# Allegro board MCU-V4.brd (continued)
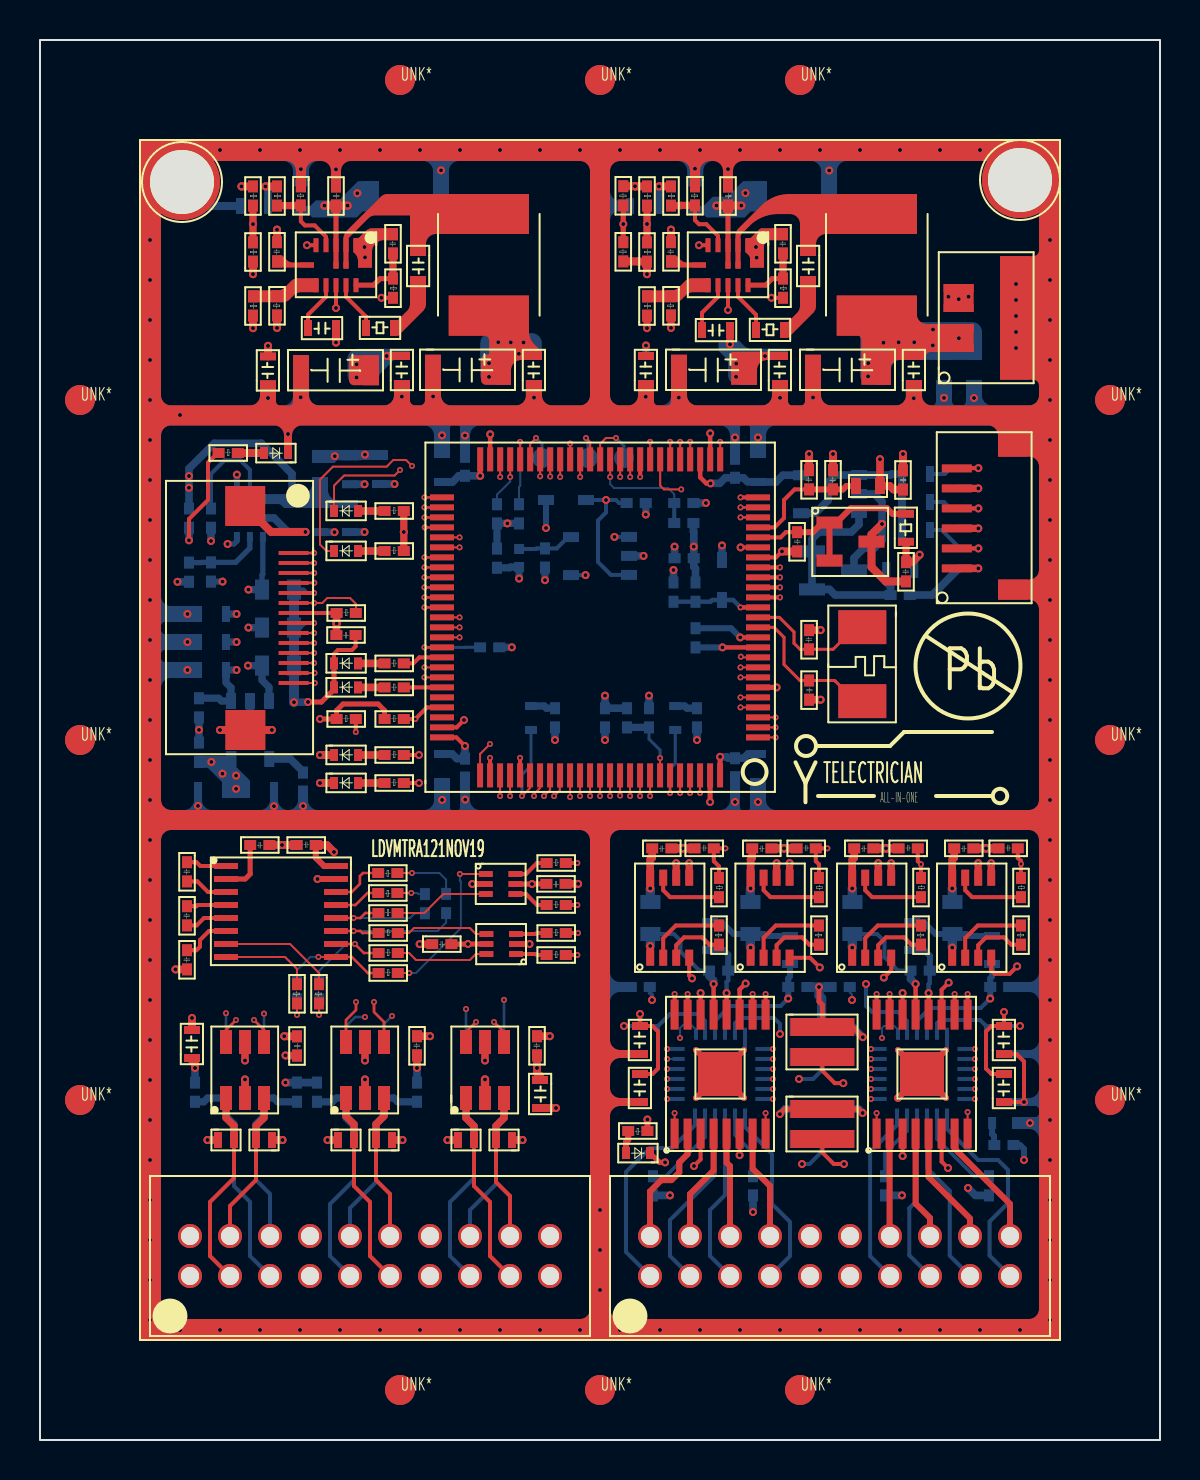
[diagram p0: board, top side]
## Placement (name value [footprint] x y rotation side) (continued)
NOREF#387  -  []  45.4 26.04 90 top
NOREF#388  -  []  9.88 15.81 90 top
NOREF#389  -  []  24.46 22.25 0 top
NOREF#390  -  []  26.12 37.69 0 top
NOREF#391  -  []  50.2 17.59 90 top
NOREF#392  -  []  28.35 23.08 90 top
NOREF#393  -  []  22.32 46.33 0 top
NOREF#394  -  []  17.85 40.18 90 top
NOREF#395  -  []  15.05 62.99 90 top
NOREF#396  -  []  44.8 53.51 0 top
NOREF#397  -  []  33.01 46.22 0 top
NOREF#398  -  []  9.3 26.75 90 top
NOREF#399  -  []  38.3 48.81 90 top
NOREF#400  -  []  42.2 48.9 0 top
NOREF#401  -  []  44.01 22.8 90 top
NOREF#402  -  []  8.88 35.39 0 top
NOREF#403  -  []  13.98 56.73 90 top
NOREF#404  -  []  49.3 25.26 0 top
NOREF#405  -  []  15.18 62.23 90 top
NOREF#406  -  []  18.37 34.88 0 top
NOREF#407  -  []  35.3 54.29 90 top
NOREF#408  -  []  11.32 60.62 0 top
NOREF#409  -  []  32 19.99 90 top
NOREF#410  -  []  28.8 19.2 90 top
NOREF#411  -  []  13.02 60.07 90 top
NOREF#412  -  []  30.4 19.99 0 top
NOREF#413  -  []  41.72 12.73 0 top
NOREF#414  -  []  11.93 30.14 90 top
NOREF#415  -  []  8.2 15.7 0 top
NOREF#416  -  []  12.3 14.3 90 top
NOREF#417  -  []  12 60.62 90 top
NOREF#418  -  []  18.33 27.96 90 top
NOREF#419  -  []  5.85 37.1 90 top
NOREF#420  -  []  37.19 59.5 90 top
NOREF#421  -  []  39.17 46.44 0 top
NOREF#422  -  []  43.18 23.53 90 top
NOREF#423  -  []  10.68 44.51 90 top
NOREF#424  -  []  17.69 53.51 0 top
NOREF#425  -  []  21.31 32.8 90 top
NOREF#426  -  []  18.51 23.45 0 top
NOREF#427  -  []  33.08 23.53 90 top
NOREF#428  -  []  8.2 15.3 90 top
NOREF#429  -  []  47 19.2 90 top
NOREF#430  -  []  48.6 19.99 0 top
NOREF#431  -  []  38.7 41.59 0 top
NOREF#432  -  []  19.95 23.18 90 top
NOREF#433  -  []  35.8 60.61 90 top
NOREF#434  -  []  18.37 33.08 0 top
NOREF#435  -  []  13.33 31.88 0 top
NOREF#436  -  []  40 23.85 90 top
NOREF#437  -  []  39.3 63 0 top
NOREF#438  -  []  32.27 62.18 0 top
NOREF#439  -  []  33 55.09 0 top
NOREF#440  -  []  12.19 45.3 0 top
NOREF#441  -  []  18.3 13.7 90 top
NOREF#442  -  []  23.1 13.7 0 top
NOREF#443  -  []  39.47 43.97 90 top
NOREF#444  -  []  48.6 17.59 0 top
NOREF#445  -  []  41.83 15.32 0 top
NOREF#446  -  []  10.08 32.81 90 top
NOREF#447  -  []  34.69 47.8 90 top
NOREF#448  -  []  34.36 36.15 0 top
NOREF#449  -  []  27.8 61.29 90 top
NOREF#450  -  []  29.82 57.82 0 top
NOREF#451  -  []  35.14 34.27 90 top
NOREF#452  -  []  38.42 26.04 0 top
NOREF#453  -  []  34.12 42.41 90 top
NOREF#454  -  []  22.19 23.94 90 top
NOREF#455  -  []  7.8 38.1 90 top
NOREF#456  -  []  16.45 26.96 0 top
NOREF#457  -  []  36.29 22.1 90 top
NOREF#458  -  []  20.98 15.81 90 top
NOREF#459  -  []  38.6 42.53 90 top
NOREF#460  -  []  29.1 52.7 90 top
NOREF#461  -  []  23 54.29 90 top
NOREF#462  -  []  9.58 41.81 90 top
NOREF#463  -  []  15.4 13.7 90 top
NOREF#464  -  []  47.2 22.1 0 top
NOREF#465  -  []  14.1 15.81 0 top
NOREF#466  -  []  18.06 25.18 0 top
NOREF#467  -  []  33.68 56.73 90 top
NOREF#468  -  []  46.65 20.1 0 top
NOREF#469  -  []  33.16 63.8 0 top
NOREF#470  -  []  17.7 14.3 0 top
NOREF#471  -  []  6 28.43 90 top
NOREF#472  -  []  20.86 46.15 90 top
NOREF#473  -  []  9.39 31.3 90 top
NOREF#474  -  []  19.78 26.85 0 top
NOREF#475  -  []  47 16.8 90 top
NOREF#476  -  []  19.9 63 0 top
NOREF#477  -  []  42.13 29.97 90 top
NOREF#478  -  []  23.79 16.5 90 top
NOREF#479  -  []  10.2 53.49 0 top
NOREF#480  -  []  40.95 47.3 90 top
NOREF#481  -  []  33.13 45.68 90 top
NOREF#482  -  []  21.64 34.53 0 top
NOREF#483  -  []  47.13 29.97 90 top
NOREF#484  -  []  45.95 28.41 90 top
NOREF#485  -  []  50.4 26.04 90 top
NOREF#486  -  []  43.81 43.91 0 top
NOREF#487  -  []  12.1 56.73 0 top
NOREF#488  -  []  13.33 30 90 top
NOREF#489  -  []  22.32 25.3 0 top
NOREF#490  -  []  43.29 53.51 0 top
NOREF#491  -  []  28 41.13 90 top
NOREF#492  -  []  30.4 17.59 0 top
NOREF#493  -  []  19.5 25.24 0 top
NOREF#494  -  []  23.2 45.1 0 top
NOREF#495  -  []  27.9 25.1 90 top
NOREF#496  -  []  44.98 28.68 0 top
NOREF#497  -  []  35.8 51.89 90 top
NOREF#498  -  []  26.55 45.14 90 top
NOREF#499  -  []  18.37 37.66 0 top
NOREF#500  -  []  19.29 52.7 90 top
NOREF#501  -  []  9.58 44.51 90 top
NOREF#502  -  []  29.6 48.86 0 top
NOREF#503  -  []  27.85 20.35 0 top
NOREF#504  -  []  4 4 90 top
NOREF#505  -  []  15.91 45.3 90 top
NOREF#506  -  []  14.4 50.1 0 top
NOREF#507  -  []  43.8 48.1 90 top
NOREF#508  -  []  12.9 39.9 90 top
NOREF#509  -  []  23.12 44.12 90 top
NOREF#510  -  []  8 15.81 0 top
NOREF#511  -  []  32.24 40.13 0 top
NOREF#512  -  []  19.8 54.32 0 top
NOREF#513  -  []  44.89 52.7 90 top
NOREF#514  -  []  6.39 19 90 top
NOREF#515  -  []  8.8 44.51 0 top
NOREF#516  -  []  37.19 61.1 0 top
NOREF#517  -  []  40.85 28.41 90 top
NOREF#518  -  []  12.31 22.54 0 top
NOREF#519  -  []  36.31 20.52 90 top
NOREF#520  -  []  48.93 21.48 90 top
NOREF#521  -  []  13.1 15.81 0 top
NOREF#522  -  []  42.07 42.64 90 top
NOREF#523  -  []  41.81 43.4 90 top
NOREF#524  -  []  43.52 26.04 0 top
NOREF#525  -  []  46.92 12.73 0 top
R1  100K  [R0402]  10.9 61.71 90 top
R2  DNP  [R0402]  12.1 61.71 90 top
R3  787K  [R0402]  12.79 62.7 270 top
R4  68K  [R0402]  28.91 62.7 270 top
R5  100K  [R0402]  30.6 61.71 90 top
R6  DNP  [R0402]  31.8 61.71 90 top
R7  499K  [R0402]  32.5 62.7 270 top
R8  DNP  [R0402]  10.9 58.91 90 top
R9  12K  [R0402]  28.91 59.9 270 top
R10  DNP  [R0402]  30.6 58.91 90 top
R11  100K  [R0402]  17.9 57.1 90 top
R12  100K  [R0402]  37.4 57.1 90 top
R13  40.2K  [R0402]  10.9 56.21 90 top
R14  294K  [R0402]  11.6 57.2 270 top
R15  40.2K  [R0402]  30.6 56.21 90 top
R16  182K  [R0402]  31.3 57.2 270 top
R17  0  [R0603]  16.2 55.2 0 top
R18  0  [R0603]  35.7 55.1 0 top
R19  4.7K  [R0402]  9.9 49.6 180 top
R20  1K  [R0402]  18.2 46.7 180 top
R21  560  [R0603]  43.7 44.81 90 top
R22  1K  [R0402]  18.2 44.7 180 top
R23  10K  [R0402]  15.8 41.6 180 top
R24  1K  [R0402]  18.2 39.08 180 top
R25  1K  [R0402]  18.2 37.88 180 top
R26  10K  [R0402]  15.8 36.3 180 top
R27  10K  [R0402]  18.2 36.3 180 top
R28  1K  [R0402]  18.2 34.5 180 top
R29  1K  [R0402]  18.2 33.1 180 top
R30  33  [R0402]  26.3 29.1 180 top
R31  DNP  [R0402]  16.9 28.1 0 top
R32  10  [R0402]  34.2 27.13 90 top
R33  10  [R0402]  39.2 27.13 90 top
R34  10  [R0402]  44.3 27.13 90 top
R35  10  [R0402]  49.3 27.13 90 top
R36  0  [R0402]  16.9 27.1 0 top
R37  33  [R0402]  26.3 27 180 top
R38  DNP  [R0402]  17.89 26.6 180 top
R39  DNP  [R0402]  17.9 25.6 180 top
R40  33  [R0402]  26.3 25.6 180 top
R41  2.05K,1%  [R0402]  33.7 25.73 270 top
R42  2.05K,1%  [R0402]  38.7 25.73 270 top
R43  2.05K,1%  [R0402]  43.8 25.73 270 top
R44  2.05K,1%  [R0402]  48.8 25.73 270 top
R45  DNP  [R0402]  17.9 24.6 180 top
R46  33  [R0402]  26.3 24.5 180 top
R47  DNP  [R0402]  17.9 23.6 180 top
R48  DNP  [R0402]  12.6 22.8 270 top
R49  0  [R0402]  13.7 22.8 270 top
R50  0.47  [R3216]  37.5 18.7 0 top
R51  0.47  [R3216]  37.5 14.6 0 top
R52  6.8K  [R0402]  29.4 15.2 0 top
R53  1K,1%  [R0603]  43 48.7 0 bottom
R54  1K,1%  [R0603]  43 47.3 0 bottom
R55  0  [R0402]  31.7 47.1 0 bottom
R56  10K  [R0402]  24.2 46.8 270 bottom
R57  10K  [R0402]  23.1 46.8 270 bottom
R58  51.1K  [R0402]  8.3 45.6 90 bottom
R59  DNP  [R0402]  7.2 45.6 90 bottom
R60  DNP  [R0402]  31.7 46.1 0 bottom
R61  1K,1%  [R0603]  43 45.9 0 bottom
R62  560  [R0603]  43.81 43.1 180 bottom
R63  51.1K  [R0402]  8.8 43.89 270 bottom
R64  40.2K  [R0402]  7.2 42.9 90 bottom
R65  10K  [R0402]  33.02 42.88 270 bottom
R66  10K  [R0402]  21.99 39.88 0 bottom
R67  1K  [R0402]  33.1 36.6 270 bottom
R68  0  [R0402]  30.7 36.6 270 bottom
R69  DNP  [R0402]  29.6 36.6 270 bottom
R70  1K  [R0402]  26 36.6 270 bottom
R71  0  [R0402]  20.56 27.32 270 bottom
R72  0  [R0402]  19 26.33 90 bottom
R73  0  [R0402]  40.5 22.4 180 bottom
R74  0  [R0402]  30.5 22.4 180 bottom
R75  0  [R0402]  13.71 22.02 90 bottom
R76  0  [R0402]  13.09 23.01 270 bottom
R77  0.47  [R3216]  40.7 18.7 180 bottom
R78  10K  [R0402]  18.6 16.9 90 bottom
R79  10K  [R0402]  13.6 16.9 90 bottom
R80  10K  [R0402]  12.6 16.9 90 bottom
R81  10K  [R0402]  7.5 16.9 90 bottom
R82  0.47  [R3216]  40.7 14.6 180 bottom
R83  6.8K  [R0402]  47.7 15 0 bottom
R84  0  [R0402]  47.7 13.2 270 bottom
R85  0  [R0402]  42.5 13.2 270 bottom
R86  0  [R0402]  35.9 13.2 270 bottom
R87  0  [R0402]  30.9 13.2 270 bottom
TP1  T POINT R  [SCREW-M3]  49 63 0 top
TP2  T POINT R  [SCREW-M3]  7.1 62.9 0 top
TP5  T POINT R  [TP_SMD_CIR_1D0]  29.2 49.1 180 bottom
TP6  T POINT R  [TP_SMD_CIR_1D0]  25.1 49.1 180 bottom
TP7  T POINT R  [TP_SMD_CIR_1D0]  27.4 49.1 180 bottom
U1  MP2326GD  [QFN-14]  14.8 58.75 270 top
U2  MP2326GD  [QFN-14]  34.4 58.75 270 top
U3  TL431AIDBZT  [SOT-23-3]  39.17 43.4 0 top
U4  STM32F103VET6  [LQFP-100]  28 41.13 90 top
U5  SN74LVC2G34DRL  [SOT-6]  22.29 28.3 0 top
U6  SP3232EEY  [TSSOP-16]  14.8 28.7 270 top
U7  AD8226ARMZ  [MSOP-8]  29.88 23.53 0 top
U8  AD8226ARMZ  [MSOP-8]  34.9 23.53 0 top
U9  AD8226ARMZ  [MSOP-8]  39.98 23.53 0 top
U10  AD8226ARMZ  [MSOP-8]  44.98 23.53 0 top
U11  SN74LVC2G34DRL  [SOT-6]  23.8 24.3 180 top
U12  SN74LVC2G34DBVR  [SOT-23-6]  9.3 17.1 90 top
U13  SN74LVC2G34DBVR  [SOT-23-6]  15.3 17.1 90 top
U14  SN74LVC2G34DBVR  [SOT-23-6]  21.3 17.1 90 top
U15  DRV8848PWPR  [HTSSOP-16]  34 18.3 90 top
U16  DRV8848PWPR  [HTSSOP-16]  44.1 18.3 90 top
U17  MCP6001T-I/OT  [SOT-23-5]  39.5 47.3 270 bottom
U18  TPS74601PBQWDRVRQ1  [WSON-6]  10.5 46.1 90 bottom
U19  MCP6001T-I/OT  [SOT-23-5]  28 44.2 270 bottom
U20  TL431AIDBZT  [SOT-23-3]  38.3 45 0 bottom
U21  SGM2028-3.3  [SOT-23-5]  10.5 35.5 0 bottom
U22  SN74LVC2G34DBVR  [SOT-23-6]  23.2 17.1 90 bottom
U23  SN74LVC2G34DBVR  [SOT-23-6]  17.2 17.1 90 bottom
U24  SN74LVC2G34DBVR  [SOT-23-6]  11.2 17.1 90 bottom
U25  DRV8846RGER  [VQFN-24]  44.1 18.3 90 bottom
U26  DRV8846RGER  [VQFN-24]  34 18.3 90 bottom
UNK*  -  [unnamed#2]  28 2.5 0 top
UNK*#2  -  [unnamed#2]  28 68 0 top
UNK*#3  -  [unnamed#2]  38 2.5 0 top
UNK*#4  -  [unnamed#2]  53.5 35 0 top
UNK*#5  -  [unnamed#2]  2 35 0 top
UNK*#6  -  [unnamed#2]  53.5 52 0 top
UNK*#7  -  [unnamed#2]  18 2.5 0 top
UNK*#8  -  [unnamed#2]  2 17 0 top
UNK*#9  -  [unnamed#2]  18 68 0 top
UNK*#10  -  [unnamed#2]  2 52 0 top
UNK*#11  -  [unnamed#2]  53.5 17 0 top
UNK*#12  -  [unnamed#2]  38 68 0 top
UNK*#13  -  [unnamed#2]  18 68 180 bottom
UNK*#14  -  [unnamed#2]  2 17 180 bottom
UNK*#15  -  [unnamed#2]  53.5 17 180 bottom
UNK*#16  -  [unnamed#2]  53.5 35 180 bottom
UNK*#17  -  [unnamed#2]  53.5 52 180 bottom
UNK*#18  -  [unnamed#2]  28 68 180 bottom
UNK*#19  -  [unnamed#2]  2 35 180 bottom
UNK*#20  -  [unnamed#2]  28 2.5 180 bottom
UNK*#21  -  [unnamed#2]  2 52 180 bottom
UNK*#22  -  [unnamed#2]  38 68 180 bottom
UNK*#23  -  [unnamed#2]  18 2.5 180 bottom
UNK*#24  -  [unnamed#2]  38 2.5 180 bottom
Y1  8MHz  [CRY5032]  39.6 41.3 270 top

## Library data of the parts
C1-C22 C24 C27-C45 C48-C51 C53-C69 C72 C74-C80 C84-C86 C89 C96 C97 C107-C116 C118 C119 C121 C122 = CAP NP
C23 C25 C26 C46 C47 C52 C70 C71 C73 C81-C83 C87 C88 C90-C95 C98-C106 C117 C120 C123 = CAP NP: signal model: DEFAULT_CAPACITOR_100000pF_2_1
D1-D7 D14 D17-D19 = LED
D8-D13 D20-D25 = DIODE BI-DIR TRIG
D15 D16 = 1N4148WT
J1 = HEADER-1X4
J2 = HEADER1x6_1
J3 = FPC-14P-0.5
J4 J5 = CONNECTOR-2X10P
L1 L2 = INDUCTOR
L3-L5 = BEAD
R1-R87 = R
TP1 TP2 TP5-TP7 = T POINT R
U1 U2 = MP2326GD
U3 U20 = TL431AIDBZT
U4 = STM32F103VET6
U5 U11-U14 U22-U24 = SN74LVC2G34DRL
U6 = SP3232EEY
U7-U10 = AD8226ARMZ
U15 U16 = DRV8848PWPR
U17 U19 = MCP6001T-I/OT
U18 = TPS74601PBQWDRVRQ1
U21 = SGM2028-3.3
U25 U26 = DRV8846RGER
Y1 = CRYSTAL

## Footprints (pads in the part's own frame, mm; a bottom-side part is the same pattern mirrored in y, then rotated)
C0402
  rect 0.6x0.5 smd: 1(0.01,0.25) 2(0.97,0.25)
C0603
  rect 0.4x0.8 smd: 1(0.1,0.4) 2(1.5,0.4)
C0805
  rect 0.7x1 smd: 1(0.2,0.62) 2(1.8,0.62)
C1206
  rect 0.8x1.5 smd: 1(-0.15,0.79) 2(3.35,0.79)
CD54-IND-2P
  rect 2x4 smd: 1(0,2.54) 2(5.08,2.54)
CRY5032
  rect 1.7x2.4 smd: 1(0.66,1.51) 2(4.36,1.51)
DF1006
  rect 0.4x0.8 smd: 1(0.1,0.3) 2(0.9,0.3)
FB0402
  rect 0.5x0.5 smd: 1(0.05,0.24) 2(0.95,0.24)
FB0603
  rect 0.5x0.8 smd: 1(0.2,0.4) 2(1.4,0.4)
FPC-14P-0D5
  rect 0.2x1.5 smd: 1(-3.251,3.479) 2(-2.751,3.479) 3(-2.251,3.479) 4(-1.751,3.479) 5(-1.251,3.479) 6(-0.751,3.479) 7(-0.251,3.479) 8(0.249,3.479) 9(0.749,3.479) 10(1.249,3.479) 11(1.749,3.479) 12(2.249,3.479) 13(2.749,3.479) 14(3.249,3.479)
  rect 2x2 smd: M1(-5.6,1.06) M2(5.6,1.066)
HTSSOP-16
  rect 1.5x0.4 smd: 1(-2.98,2.27) 2(-2.98,1.62) 3(-2.98,0.97) 4(-2.98,0.32) 5(-2.98,-0.33) 6(-2.98,-0.98) 7(-2.98,-1.63) 8(-2.98,-2.28) 9(2.97,-2.28) 10(2.97,-1.63) 11(2.97,-0.98) 12(2.97,-0.33) 13(2.97,0.32) 14(2.97,0.97) 15(2.97,1.62) 16(2.97,2.27)
  rect 2.2x2.2 smd: 17(0,0)
LED0402
  rect 0.4x0.6 smd: 1(-0.1,0.25) 2(1.1,0.25)
LQFP-100
  rect 0.3x1.2 smd: 1(-6.003,-7.901) 2(-5.503,-7.901) 3(-5.003,-7.901) 4(-4.503,-7.901) 5(-4.003,-7.901) 6(-3.503,-7.901) 7(-3.003,-7.901) 8(-2.503,-7.901) 9(-2.003,-7.901) 10(-1.503,-7.901) 11(-1.003,-7.901) 12(-0.503,-7.901) 13(-0.003,-7.901) 14(0.497,-7.901) 15(0.997,-7.901) 16(1.497,-7.901) 17(1.997,-7.901) 18(2.497,-7.901) 19(2.997,-7.901) 20(3.497,-7.901) 21(3.997,-7.901) 22(4.497,-7.901) 23(4.997,-7.901) 24(5.497,-7.901) 25(5.997,-7.901) 51(5.998,7.901) 52(5.498,7.901) 53(4.998,7.901) 54(4.498,7.901) 55(3.998,7.901) 56(3.498,7.901) 57(2.998,7.901) 58(2.498,7.901) 59(1.998,7.901) 60(1.498,7.901) 61(0.998,7.901) 62(0.498,7.901) 63(-0.002,7.901) 64(-0.502,7.901) 65(-1.002,7.901) 66(-1.502,7.901) 67(-2.002,7.901) 68(-2.502,7.901) 69(-3.002,7.901) 70(-3.502,7.901) 71(-4.002,7.901) 72(-4.502,7.901) 73(-5.002,7.901) 74(-5.502,7.901) 75(-6.002,7.901)
  rect 1.2x0.3 smd: 26(7.9,-6.007) 27(7.9,-5.507) 28(7.9,-5.007) 29(7.9,-4.507) 30(7.9,-4.007) 31(7.9,-3.507) 32(7.9,-3.007) 33(7.9,-2.507) 34(7.9,-2.007) 35(7.9,-1.507) 36(7.9,-1.007) 37(7.9,-0.507) 38(7.9,-0.007) 39(7.9,0.493) 40(7.9,0.993) 41(7.9,1.493) 42(7.9,1.993) 43(7.9,2.493) 44(7.9,2.993) 45(7.9,3.493) 46(7.9,3.993) 47(7.9,4.493) 48(7.9,4.993) 49(7.9,5.493) 50(7.9,5.993) 76(-7.902,5.997) 77(-7.902,5.497) 78(-7.902,4.997) 79(-7.902,4.497) 80(-7.902,3.997) 81(-7.902,3.497) 82(-7.902,2.997) 83(-7.902,2.497) 84(-7.902,1.997) 85(-7.902,1.497) 86(-7.902,0.997) 87(-7.902,0.497) 88(-7.902,-0.003) 89(-7.902,-0.503) 90(-7.902,-1.003) 91(-7.902,-1.503) 92(-7.902,-2.003) 93(-7.902,-2.503) 94(-7.902,-3.003) 95(-7.902,-3.503) 96(-7.902,-4.003) 97(-7.902,-4.503) 98(-7.902,-5.003) 99(-7.902,-5.503) 100(-7.902,-6.003)
MSOP-8
  rect 0.4x0.8 smd: 1(0.63,0.58) 2(1.28,0.58) 3(1.93,0.58) 4(2.58,0.58) 5(2.58,4.58) 6(1.93,4.58) 7(1.28,4.58) 8(0.63,4.58)
PHB2D0MM-2X10P-VER
  round 1.2 hole 0.9: 1(0,-2) 2(2,-2) 3(4,-2) 4(6,-2) 5(8,-2) 6(10,-2) 7(12,-2) 8(14,-2) 9(16,-2) 10(18,-2) 11(18,0) 12(16,0) 13(14,0) 14(12,0) 15(10,0) 16(8,0) 17(6,0) 18(4,0) 19(2,0) 20(0,0)
QFN-14
  rect 0.7x0.25 smd: 1(-0.99,1) 2(-0.99,0.5) 3(-0.99,0) 4(-0.99,-0.5) 5(-0.99,-1) 7(1.01,-1) 8(1.01,-0.5) 9(1.01,0) 10(1.01,0.5) 11(1.01,1)
  rect 0.25x0.7 smd: 6(0,-1.45) 12(0,1.45)
  rect 0.35x0.25 smd: 13(0,0.5) 14(0,0)
R0402
  rect 0.6x0.5 smd: 1(0.01,0.25) 2(0.97,0.25)
R0603
  rect 0.4x0.8 smd: 1(0.1,0.4) 2(1.5,0.4)
R3216
  rect 3.2x0.9 smd: 1(1.62,1.95) 2(1.62,0.45)
SCREW-M3
  round 3.8 hole 3.2 unplated: (0,0)
SH1D0-SMD-VER-4P
  rect 0.4x1.5 smd: 1(1.5,3.47) 2(2.5,3.47) 3(3.5,3.47) 4(4.5,3.47)
  rect 1x1.5 smd: M1(0.42,0.65) M2(5.59,0.65)
SH1D0-SMD-VER-6P
  rect 0.4x1.5 smd: 1(1.48,3.46) 2(2.48,3.46) 3(3.48,3.46) 4(4.48,3.46) 5(5.48,3.46) 6(6.48,3.46)
  rect 1x1.5 smd: M1(0.42,0.65) M2(7.57,0.65)
SOD-523F
  rect 0.5x0.8 smd: 1(0,0) 2(0,-2)
SOT-6
  rect 0.7x0.3 smd: 1(0,0) 2(0,-0.5) 3(0,-1) 4(1.48,-1) 5(1.48,-0.5) 6(1.48,0)
SOT-23-3
  rect 1.3x0.6 smd: 1(0.3,2.47) 2(0.3,0.57) 3(2.4,1.52)
SOT-23-5
  rect 0.5x0.8 smd: 1(-0.95,-1.45) 2(0,-1.45) 3(0.95,-1.45) 4(0.96,1.45) 5(-0.94,1.45)
SOT-23-6
  rect 1.2x0.6 smd: 1(0,0) 2(0,-0.95) 3(0,-1.9) 4(2.8,-1.9) 5(2.8,-0.95) 6(2.8,0)
TP_SMD_CIR_1D0
  round 1 smd: 1(0,0)
TSSOP-16
  rect 0.3x1.2 smd: 1(0,-5.5) 2(0.65,-5.5) 3(1.3,-5.5) 4(1.95,-5.5) 5(2.6,-5.5) 6(3.25,-5.5) 7(3.9,-5.5) 8(4.55,-5.5) 9(4.55,0) 10(3.9,0) 11(3.25,0) 12(2.6,0) 13(1.95,0) 14(1.3,0) 15(0.65,0) 16(0,0)
unnamed#2
  round 1.5 smd: (0,0)
VQFN-24
  rect 0.6x0.2 smd: 1(-2.03,1.25) 2(-2.03,0.75) 3(-2.03,0.25) 4(-2.03,-0.25) 5(-2.03,-0.75) 6(-2.03,-1.25) 13(2.01,-1.2) 14(2.01,-0.75) 15(2.01,-0.25) 16(2.01,0.25) 17(2.01,0.75) 18(2.01,1.25)
  rect 0.2x0.6 smd: 7(-1.25,-2.07) 8(-0.75,-2.07) 9(-0.25,-2.07) 10(0.25,-2.07) 11(0.75,-2.07) 12(1.25,-2.07) 19(1.25,2.07) 20(0.75,2.07) 21(0.25,2.07) 22(-0.25,2.07) 23(-0.75,2.07) 24(-1.25,2.07)
  rect 2.2x2.2 smd: 25(0,0)
WSON-6
  rect 0.5x0.3 smd: 1(-0.952,0.648) 2(-0.952,-0.002) 3(-0.952,-0.652) 4(0.948,-0.652) 5(0.948,-0.002) 6(0.948,0.648)
  rect 0.65x1.35 smd: 7(0,0)

## Nets
3V3_MCU: C23.1 C25.1 C26.1 C30.1 C40.1 C42.2 C46.1 C47.1 C48.2 C49.2 C52.1 C70.1 C71.1 C72.1 C73.1 C81.1 C82.1 C88.1 C93.1 C94.1 C95.1 C96.1 C97.2 C98.1 C100.1 C101.1 C102.1 C117.1 C118.2 C119.2 C120.2 C123.1 D15.2(\K\) J3.7 J4.10 J4.11 L3.1 L5.2 R20.1 R21.1 R22.1 R23.2 R26.2 R27.2 R60.2 R62.1 R65.1 R66.2 R67.2 R69.1 R70.2 R78.2 R79.2 R80.2 R81.2 U4.6 U4.11 U4.28 U4.50 U4.75 U4.100 U5.5(\VCC\) U6.16(\VCC\) U11.5(\VCC\) U12.5(\VCC\) U13.5(\VCC\) U14.5(\VCC\) U17.5 U21.5(\OUT\) U22.5(\VCC\) U23.5(\VCC\) U24.5(\VCC\)
3V3_MCU_A: C21.2 C22.2 L3.2 U4.22
5V5_MCU_IN: C77.2 C78.2 C79.1 L4.2 R59.2 U18.4 U18.6
5V5_MCU_PWR: C9.1 C11.2 C12.2 C13.2 C19.2 C20.2 C65.2 C66.2 C67.2 C68.2 C74.2 C75.2 L1.2 L4.1 R14.2
5V_MCU: C31.1 C33.1 C35.1 C37.1 C83.2 C86.2 C87.2 C89.2 C90.2 C91.1 C92.1 C103.2 C104.2 C105.2 C106.2 R19.2 R58.1 R59.1 R63.2 U7.8 U8.8 U9.8 U10.8 U18.1 U21.1 U21.3
12V_MTR: C10.1 C14.2 C15.2 C16.2 C17.2 C18.2 C59.2 C60.2 C61.2 C62.2 C63.2 C64.2 C69.2 J1.1 J1.2 L2.2 R16.2
GND: C1.2 C2.2 C3.1 C4.1 C5.1 C6.1 C11.1 C12.1 C13.1 C14.1 C15.1 C16.1 C17.1 C18.1 C19.1 C20.1 C21.1 C22.1 C23.2 C24.1 C25.2 C26.2 C27.1 C28.1 C29.2 C30.2 C31.2 C32.2 C33.2 C34.2 C35.2 C36.2 C37.2 C38.2 C40.2 C42.1 C43.2 C44.1 C45.1 C46.2 C47.2 C48.1 C49.1 C50.1 C51.1 C52.2 C53.1 C54.1 C55.1 C56.1 C57.1 C58.1 C59.1 C60.1 C61.1 C62.1 C63.1 C64.1 C65.1 C66.1 C67.1 C68.1 C69.1 C70.2 C71.2 C72.2 C73.2 C74.1 C75.1 C76.1 C77.1 C78.1 C79.2 C80.2 C81.2 C82.2 C83.1 C84.1 C85.1 C86.1 C87.1 C88.2 C89.1 C90.1 C91.2 C92.2 C93.2 C94.2 C95.2 C96.2 C97.1 C98.2 C99.1 C100.2 C101.2 C102.2 C103.1 C104.1 C105.1 C106.1 C107.2 C108.2 C109.2 C110.2 C111.2 C112.2 C113.2 C114.2 C115.2 C116.2 C117.2 C118.1 C119.1 C120.1 C121.2 C122.2 C123.2 D1.1(\CATHODE\) D4.1(\CATHODE\) D5.1(\CATHODE\) D6.1(\CATHODE\) D7.1(\CATHODE\) D8.1 D9.1 D10.1 D11.1 D12.1 D13.1 D14.1(\CATHODE\) D16.1 D19.1(\CATHODE\) D20.1 D21.1 D22.1 D23.1 D24.1 D25.1 J1.3 J1.4 J1.M1 J1.M2(\M2\) J2.1 J2.3 J2.5 J2.M1 J2.M2(\M2\) J3.5 J3.8 J3.M1 J3.M2(\M2\) J4.7 J4.14 J5.5 J5.6 R3.1 R7.1 R8.1 R9.2 R10.1 R13.1 R15.1 R50.1 R51.1 R55.2 R56.2 R57.2 R64.1 R68.1 R73.2 R74.2 R77.1 R82.1 R84.2 R85.2 R86.2 R87.2 U1.1 U1.12 U2.1 U2.12 U3.3 U4.10(\VSS_5\) U4.19 U4.20 U4.27 U4.49 U4.74 U4.99 U5.2 U6.15 U7.1 U7.5 U7.6 U8.1 U8.5 U8.6 U9.1 U9.5 U9.6 U10.1 U10.5 U10.6 U11.2 U12.2 U13.2 U14.2 U15.13 U15.17 U16.13 U16.17 U17.2(\VSS\) U18.3 U18.7 U19.2(\VSS\) U20.3 U21.2 U22.2 U23.2 U24.2 U25.18 U25.25 U26.18 U26.25
VBAT_ADC: U4.34 U19.1 U19.4
VBAT_IN: C1.1 C2.1 C53.2 C54.2 C55.2 C56.2 C57.2 C58.2 R1.2 R2.2 R4.1 R5.2 R6.2 U1.3(\VIN#3\) U1.14 U2.3(\VIN#3\) U2.14
BOOT0: R68.2 R69.2 U4.94
BOOT1: R55.1 R60.1 U4.37
ENC1_A: D21.2 J4.8 U22.3
ENC1_A_BUF: U4.24 U22.4
ENC1_B: D20.2 J4.13 U22.1
ENC1_B_BUF: U4.23 U22.6
ENC2_A: D13.2 J4.12 U14.3
ENC2_A_BUF: U4.91 U14.4
ENC2_B: D12.2 J4.9 U14.1
ENC2_B_BUF: U4.90 U14.6
ENC3_A: D11.2 J4.15 U13.3
ENC3_A_BUF: U4.60 U13.4
ENC3_B: D10.2 J4.6 U13.1
ENC3_B_BUF: U4.59 U13.6
ENC4_A: D9.2 J4.19 U12.3
ENC4_A_BUF: U4.40 U12.4
ENC4_B: D8.2 J4.2 U12.1
ENC4_B_BUF: U4.42 U12.6
LIMIT_SW1: U4.57 U24.4
LIMIT_SW2: U4.58 U24.6
LIMIT_SW3: U4.61 U23.4
LIMIT_SW4: U4.62 U23.6
LSW1: D25.2 J4.3 R81.1 U24.3
LSW2: D24.2 J4.18 R80.1 U24.1
LSW3: D23.2 J4.5 R79.1 U23.3
LSW4: D22.2 J4.16 R78.1 U23.1
M1_DRV+: J5.20 U15.2
M1_DRV-: J5.19 U15.4
M1_I_ADC: C34.1 R33.2 U4.16
M1_PWM+: U4.64 U15.10
M1_PWM-: U4.35 U15.9
M2_DRV+: J5.17 U15.7
M2_DRV-: J5.18 U15.5
M2_I_ADC: C32.1 R32.2 U4.15
M2_PWM+: U4.65 U15.16
M2_PWM-: U4.36 U15.15
M3_DRV+: J5.14 U16.2
M3_DRV-: J5.13 U16.4
M3_I_ADC: C38.1 R35.2 U4.18
M3_PWM+: U4.44 U16.16
M3_PWM-: U4.43 U16.15
M4_DRV+: J5.11 U16.7
M4_DRV-: J5.12 U16.5
M4_I_ADC: C36.1 R34.2 U4.17
M4_PWM+: U4.63 U16.9
M4_PWM-: U4.32 U16.10
MCU_LED1: R25.1 U4.70
MCU_LED2: R24.1 U4.67
MCU_LED3: R28.1 U4.77
MCU_LED4: R29.1 U4.80
MCU_RST_CPU: J3.6 R23.1 U4.33
MCU_RST_FPGA: J3.10 R66.1 U4.66
MCU_SPI2_MISO: J3.3 U4.53
MCU_SPI2_MOSI: J3.4 U4.54
MCU_SPI2_NSS: J3.1 U4.51
MCU_SPI2_SCK: J3.2 U4.52
MCU_UART1_RXD: J3.12 U4.69
MCU_UART1_TXD: J3.11 U4.68
MCU_UART3_RXD: R37.1 U4.56
MCU_UART3_TXD: R40.1 U4.55
MCU_UART4_RXD: R30.1 U4.79
MCU_UART4_TXD: R46.1 U4.78
NFAULT12: D2.1(\CATHODE\) U4.48 U15.8
NFAULT34: D3.1(\CATHODE\) U4.41 U16.8
NRST_MCU: C84.2 D16.2(\K\) J3.9 R65.2 U4.14
NSLEEP12: R57.1 U4.47 U15.1
NSLEEP34: R56.1 U4.46 U16.1
OSCIN: C28.2 U4.12 Y1.2
OSCOUT: C27.2 U4.13 Y1.1
PT100-1: J2.2 R61.2 U4.31
PT100-2: J2.4 R54.2 U4.30
PT100-3: J2.6 R53.2 U4.29
RXD1: J4.4 R36.2 R72.2
RXD2: J4.20 R48.2 R76.2
SMTR1_ADEC: U4.86 U26.19
SMTR1_DEC0: U4.89 U26.22
SMTR1_DEC1: U4.93 U26.24
SMTR1_DIR: U4.85 U26.13
SMTR1_I0: U4.87 U26.20
SMTR1_I1: U4.88 U26.21
SMTR1_M0: U4.82 U26.8
SMTR1_M1: U4.83 U26.9
SMTR1_NFAULT: D18.1(\CATHODE\) U4.81 U26.7
SMTR1_NSLEEP: U4.92 U26.23
SMTR1_PWM: U4.25 U26.12
SMTR1_TOFF_SEL: U4.84 U26.10
SMTR2_ADEC: U4.7 U25.19
SMTR2_DEC0: U4.1 U25.22
SMTR2_DEC1: U4.3 U25.24
SMTR2_DIR: U4.8 U25.13
SMTR2_I0: U4.5 U25.20
SMTR2_I1: U4.4 U25.21
SMTR2_M0: U4.96 U25.8
SMTR2_M1: U4.97 U25.9
SMTR2_NFAULT: D17.1(\CATHODE\) U4.95 U25.7
SMTR2_NSLEEP: U4.2 U25.23
SMTR2_PWM: U4.26 U25.12
SMTR2_TOFF_SEL: U4.98 U25.10
STEP1A_DRV1: J5.4 U26.1
STEP1A_DRV2: J5.3 U26.3
STEP1B_DRV1: J5.1 U26.6
STEP1B_DRV2: J5.2 U26.4
STEP2A_DRV1: J5.10 U25.1
STEP2A_DRV2: J5.9 U25.3
STEP2B_DRV1: J5.7 U25.6
STEP2B_DRV2: J5.8 U25.4
SWCLK: J3.14 R26.1 U4.76
SWDIO: J3.13 R27.1 U4.72
TXD1: J4.17 R31.2 R71.1
TXD2: J4.1 R49.2 R75.1
VMTR: C107.1 C108.1 C111.1 C112.1 J5.16 R52.2 U15.12 U16.12
VREF_2V5: C24.2 R21.2 U3.1 U3.2(\REF\) U4.21
VSMTR: C109.1 C110.1 C113.1 C114.1 J5.15 R83.2 U25.15 U26.15
N01539: C44.2 C50.2 U15.11(\VREF\) U15.14
N02684: R77.2 U8.4 U15.3
N02906: R82.2 U7.4 U15.6
N04940: D2.2 R20.2
N07800: R41.1 U7.2
N07815: R41.2 U7.3
N08892: R42.1 U8.2
N08904: R42.2 U8.3
N10404: R33.1 U8.7(\VOUT\)
N11136: R32.1 U7.7(\VOUT\)
N27735: C45.2 C51.2 U16.11(\VREF\) U16.14
N27979: R51.2 U10.4 U16.3
N28117: R50.2 U9.4 U16.6
N28299: R43.1 U9.2
N28303: R43.2 U9.3
N28307: R44.1 U10.2
N28311: R44.2 U10.3
N28637: D3.2 R22.2
N28731: R34.1 U9.7(\VOUT\)
N28759: R35.1 U10.7(\VOUT\)
N30927: R86.1 U26.2
N30933: R87.1 U26.5
N33222: C116.1 C122.1 U26.14(\VREF\) U26.17
N38076: R74.1 U26.11
N39890: D18.2 R70.1
N41862: C115.1 C121.1 U25.14(\VREF\) U25.17
N42130: R84.1 U25.2
N42224: R85.1 U25.5
N42300: R73.1 U25.11
N42416: D17.2 R67.1
N50111: C76.2 D15.1 R4.2 R9.1 U19.3
N52095: C80.1 L5.1 U19.5
N57048: C85.2 R62.2 U17.3 U20.1 U20.2(\REF\)
N57288: R53.1 R54.1 R61.1 U17.1 U17.4
N4905822: C99.2 U21.4
N6978822: U4.71
N7119824: C39.1 U6.1
N7119928: C41.1 U6.4
N7119940: C29.1 U6.2
N7119964: C39.2 U6.3
N7119992: C43.1 U6.6
N7120000: C41.2 U6.5
N7132397: R31.1 U6.14
N7132401: R49.1 U6.7
N7132405: R36.1 U6.13
N7132409: R48.1 U6.8
N7303093: R39.2 R71.2 U6.11
N7303131: R45.2 R75.2 U6.10
N7303158: R38.2 R72.1 U6.12
N7303185: R47.2 R76.1 U6.9
N7362382: D1.2 R19.1
N7767499: TP5.1(\TP\) U4.38
N7936310: D5.2 R25.2
N7936621: D4.2 R24.2
N7936920: D6.2 R28.2
N7937230: D7.2 R29.2
N8000304: TP6.1(\TP\) U4.45
N8000357: TP7.1(\TP\) U4.39
N8196940: R2.1 R3.2 U1.4
N8196944: R1.1 R8.2 U1.9
N8196950: C3.2 R11.2 U1.11
N8196956: R11.1 U1.5
N8196998: C5.2 U1.6
N8197004: R17.1 U1.10
N8197008: C7.1 L1.1 U1.2 U1.13
N8197018: C7.2 R17.2
N8197022: C9.2 U1.8
N8197032: R13.2 R14.1 U1.7
N8197074: R18.1 U2.10
N8197078: C8.2 R18.2
N8197098: C8.1 L2.1 U2.2 U2.13
N8197146: R6.1 R7.2 U2.4
N8197148: R5.1 R10.2 U2.9
N8197154: C10.2 U2.8
N8197166: R15.2 R16.1 U2.7
N8197176: C4.2 R12.2 U2.11
N8197182: C6.2 U2.6
N8197194: R12.1 U2.5
N8449814: R58.2 U18.5(\PG\)
N8449940: R63.1 R64.2 U18.2
N8934237: D19.2 R83.1
N9041352: D14.2 R52.1
N9050029: R40.2 U11.3
N9050033: R39.1 U11.4
N9050041: R46.2 U11.1
N9050045: R45.1 U11.6
N9050708: R37.2 U5.4
N9050712: R38.1 U5.3
N9050720: R30.2 U5.6
N9050724: R47.1 U5.1

Pads without a net: U4 9 73; U25 16; U26 16

## Via types
v1: diameter 0.3, hole 0.15, TOP to BOTTOM, 170 vias
v2: diameter 0.4, hole 0.2, TOP to BOTTOM, 380 vias

## Routing (per net, layer and track width the routed paths; a pad name or vN(x,y) marks a point on that pad's centre or on a via; arc(x,y) is an arc through that point)
3V3_MCU: length 66.3
  TOP w0.2: R23.2 14.38,41.35 14.38,41.35 12.68,41.35 ; v2(21.25,34.7) 20.82,35.13 U4.75
  TOP w0.22: U4.28 33.01,48.14 33.31,47.83 v2(33.53,47.83) ; U4.11 v2(35.01,40.13) ; U4.50 v2(22.01,48.21)
  TOP w0.25: U4.100 v2(34,34.16) ; R27.2 17.23,36.48 16.91,36.8 15.15,36.8 14.83,36.48 R26.2 v2(14,36.05) ; C42.2 21.39,24.8 v2(21.4,24.8) U11.5 ; C40.1 24.61,27.8 v2(24.6,27.8) U5.5 ; U4.6 v2(36.83,37.63)
  TOP w0.3: U6.16 14.2,28.7 13.79,29.11 C30.1
  TOP w0.36: C48.2 v2(18.85,18.6) ; R20.1 v2(18.19,45.4) R22.1 ; U13.5 v2(16.25,18.97) ; v2(43.98,44.27) 43.98,44.25 43.62,43.89 C25.1 R21.1 ; U14.5 v2(22.25,18.97) ; v2(12.27,19.23) 12.28,19.22 C47.1 ; C49.2 v2(24.85,18.6) ; U12.5 v2(10.25,18.97)
  TOP w0.38: C26.1 14.82,40.82 v2(14.83,40.83) R23.2 ; C23.1 42.67,47.52 42.49,47.7 L3.1 v2(42,49.04) ; v2(24.85,18.6) 24.85,18.35 25,18.2 C52.1 ; C46.1 7.6,19 7.75,18.85 v2(7.75,18.6) ; v2(14.7,29.4) 14.35,29.75 C30.1
  BOTTOM w0.3: v2(35.01,40.13) 34.55,40.59 C88.1 ; D15.2 v2(25.3,45.6)
  BOTTOM w0.36: C49.2 v2(24.85,18.6) ; C81.1 23.49,43.61 23.53,43.65 L5.2 v2(23.95,43.07) ; R66.2 v2(23.59,39.63)
  BOTTOM w0.38: R60.2 32.67,45.42 32.69,45.4 v2(32.69,44.67) C82.1 32.69,43.66 32.77,43.58 R65.1 ; R70.2 v2(25.75,35) ; R67.2 v2(32.85,35) ; v2(12.27,17.87) R80.2 R79.2 ; v2(14.7,29.4) 14.35,29.75 C102.1 ; U13.5 v2(16.25,18.97) ; U14.5 v2(22.25,18.97) ; C120.2 v2(12.27,19.23) ; U17.5 37.14,48.24 36.8,47.9 C71.1 35.89,47.91 35.38,47.91 35.18,48.11 C73.1 34.26,48.11 33.98,47.83 v2(33.53,47.83) ; v2(24.85,18.6) 24.85,18.35 25,18.2 C52.1 ; C96.1 35.4,34.3 35.19,34.09 C95.1 34.42,34.09 34.35,34.16 v2(34,34.16) ; v2(21.25,34.7) C97.2 20.84,34.07 20.61,34.3 C98.1 ; R78.2 v2(18.85,18.6) C48.2 ; U12.5 v2(10.25,18.97) ; C72.1 20.63,47.9 20.94,48.21 C70.1 22.01,48.21 v2(22.01,48.21) ; v2(43.98,44.27) 43.71,44 R62.1 ; v2(28.25,37.22) C93.1 R69.1 ; C46.1 7.6,18.95 7.75,18.8 v2(7.75,18.6) R81.2
  vias: v2(8.57,33.9) v2(9.12,33.31) v2(9.8,33.22) v2(9.8,32.56)
3V3_MCU_A: length 6.3
  TOP w0.2: C21.2 37.73,47.53 37.2,47 37.2,46.1 36.73,45.63 U4.22
  TOP w0.3: L3.2 40.32,47.7 40.15,47.53 C22.2 C21.2
5V5_MCU_IN: length 11
  BOTTOM w0.3: v2(9.84,48.27) U18.4
  BOTTOM w0.38: R59.2 v2(7.45,47.61) v2(7.45,48.2) 7.45,48.57 8.72,49.84 11.07,49.84 12.6,48.31 12.6,46.8
5V5_MCU_PWR: length 2.6
  TOP w0.4: C9.1 v2(14.8,54.87) ; R14.2 v2(11.85,55.6) ; C11.2 v2(17.34,54.2) ; C19.2 v2(11.4,54.71)
  vias: v2(14.74,49.19) v2(15.83,53.79) v2(15.83,53.13) v2(16.25,49.27) v2(22.45,53.84) v2(22.45,53.16) v2(22.91,54.89) v2(23.54,54.88) v2(23.94,54.31) v2(24.18,54.88)
5V_MCU: length 71
  TOP w0.2: v2(7.45,44.99) 7.45,46.05 8.4,47 8.4,48.87 8.88,49.35 R19.2
  TOP w0.38: v2(30.51,27.58) U7.8 30.51,29.01 30.61,29.11 C31.1 ; C37.1 45.71,29.11 45.61,29.01 U10.8 v2(45.61,27.58) ; v2(35.53,27.58) U8.8 35.53,29.03 35.61,29.11 C33.1 ; C35.1 40.71,29.11 40.61,29.01 U9.8 v2(40.61,27.58)
  SIGNAL-L4 w0.5: v2(30.51,27.58) 28.19,29.9 19.41,29.9 18.2,31.11 14.87,31.11 14.39,30.63 7.36,30.63 6.66,31.33 6.66,36.32 7.59,37.24 8.57,37.24 v2(9.83,38.5) ; v2(9.83,38.5) v2(9.83,39.9) 9.83,40.02 v2(10.42,40.62) 10.42,40.7 v2(9.83,41.3) 9.83,41.92 v2(10.42,42.52) 10.02,42.92 v2(9.13,42.92) ; v2(9.83,38.5) 10.05,38.72 v2(10.4,38.72)
  BOTTOM w0.26: C83.2 11.1,43.25 11.14,43.29 U18.1
  BOTTOM w0.3: R63.2 v2(9.13,42.92)
  BOTTOM w0.36: C86.2 v2(9.83,41.3) ; C92.1 8.93,37.09 9.07,36.95 U21.1 9.55,37.62 9.3,37.87 C91.1 v2(9.83,38.5) ; v2(10.4,38.72) C90.2 11.1,37.99 11.45,37.64 U21.3 ; C87.2 v2(10.42,40.62) ; C89.2 v2(9.83,39.9) ; C83.2 v2(10.42,42.52)
  BOTTOM w0.38: 8.55,45.61 v2(8.55,44.95) ; 7.45,45.61 v2(7.45,44.99)
  BOTTOM w0.46: v2(35.53,27.58) 35.52,27.57 C105.2 ; C106.2 30.52,27.57 v2(30.51,27.58) ; v2(45.61,27.58) 45.62,27.57 C103.2 ; v2(40.61,27.58) 40.62,27.57 C104.2
